# Altium PCB BMS_Slave V0.1.PcbDoc (part 1 of 2) (continued)
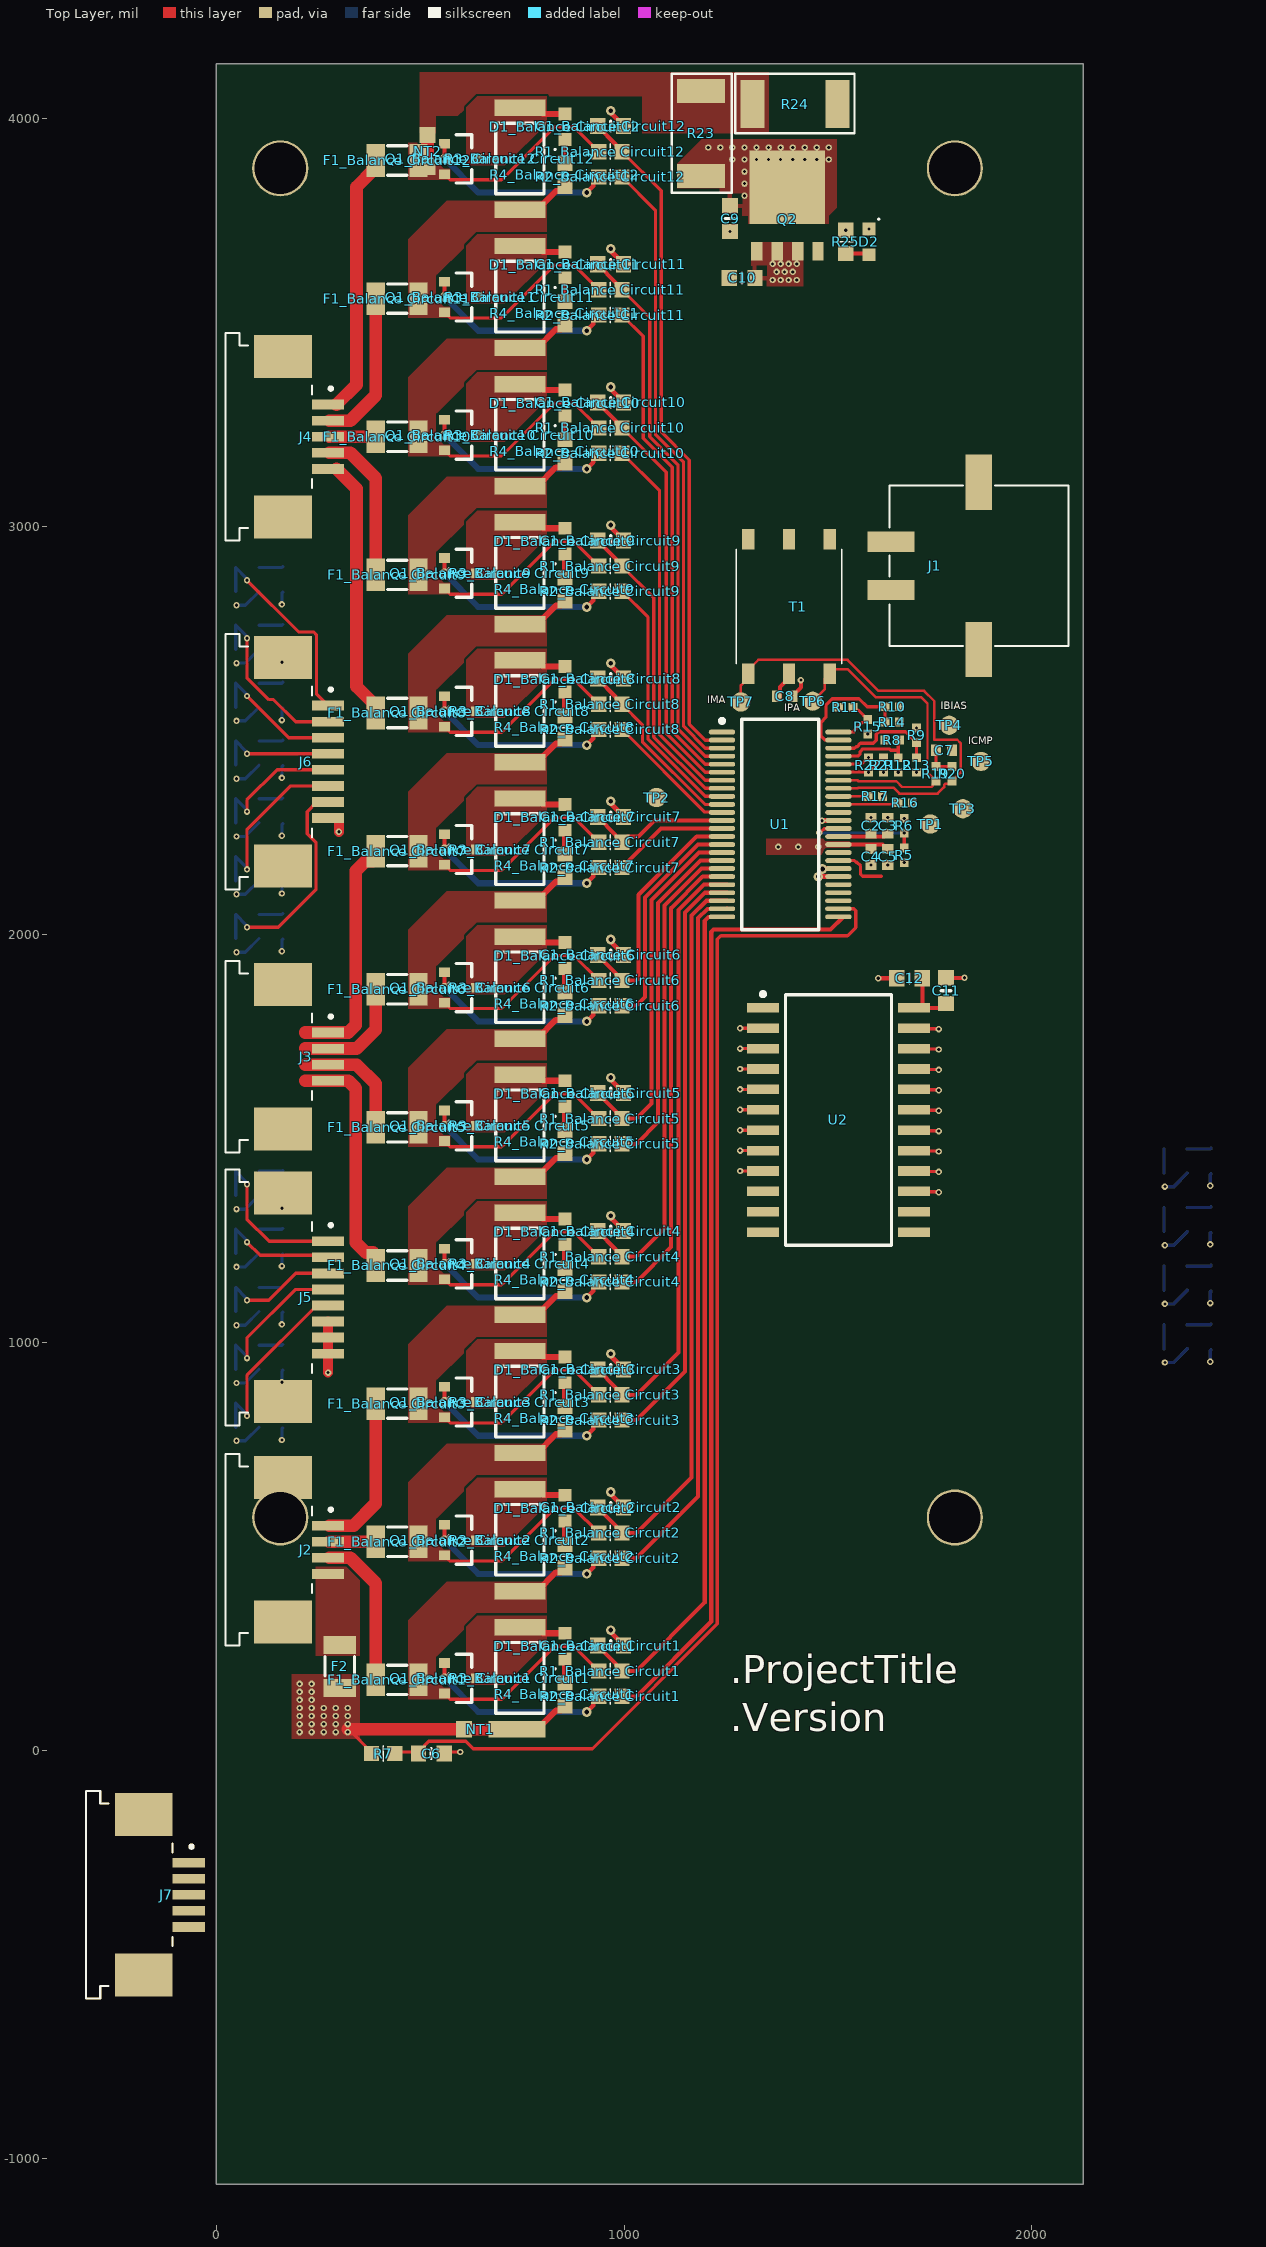
[diagram p0: Top Layer view]
## Design rules (kind name [scope] priority, off if disabled: settings) (continued)
RoomDefinition "Balance Circuit9" [InComponentClass('Balance Circuit9')] p23: confinementstyle=ConfineIn formatcopy=TRUE lockcomponents=FALSE outline 341.54,2716.14 1038.39,2716.14 1038.39,3054.72 341.54,3054.72
RoomDefinition "Balance Circuit10" [InComponentClass('Balance Circuit10')] p24: confinementstyle=ConfineIn formatcopy=TRUE lockcomponents=FALSE outline 341.54,3054.72 1038.39,3054.72 1038.39,3393.31 341.54,3393.31
RoomDefinition "Balance Circuit11" [InComponentClass('Balance Circuit11')] p25: confinementstyle=ConfineIn formatcopy=TRUE lockcomponents=FALSE outline 341.54,3393.31 1038.39,3393.31 1038.39,3731.89 341.54,3731.89
RoomDefinition "Balance Circuit3" [InComponentClass('Balance Circuit3')] p26: confinementstyle=ConfineIn formatcopy=TRUE lockcomponents=FALSE outline 341.54,684.65 1038.39,684.65 1038.39,1023.23 341.54,1023.23
RoomDefinition "Balance Circuit1" [InComponentClass('Balance Circuit1')] p27: confinementstyle=ConfineIn formatcopy=TRUE lockcomponents=FALSE outline 341.54,7.48 1038.39,7.48 1038.39,346.06 341.54,346.06
RoomDefinition "Balance Circuit2" [InComponentClass('Balance Circuit2')] p28: confinementstyle=ConfineIn formatcopy=TRUE lockcomponents=FALSE outline 341.54,346.06 1038.39,346.06 1038.39,684.65 341.54,684.65
RoutingVias [All] p1: holewidth=11.81 width=23.62 viastyle="Through Hole" minholewidth=7.87 minwidth=15.75 maxholewidth=15.75 maxwidth=27.56
ShortCircuit ShortCircuit_NT [HasFootprint('NetTie')] p1: allowed=TRUE
ShortCircuit [All] p2: allowed=FALSE
SilkToSilkClearance [All] p1: silktosilkclearance=0
SilkToSolderMaskClearance [IsPad] p1: minsilkscreentomaskgap=6 clearancetoexposedcopper=TRUE
SolderMaskExpansion SolderMaskExpansion_Via [isvia] p1: expansion=4 istentingtop=TRUE
SolderMaskExpansion [All] p2: expansion=2 istentingtop=FALSE
Width [All] p1: maxlimit=100 minlimit=6 preferedwidth=8
20 further rules are at their usual default settings.

## Classes and differential pairs
differential pair class isoSPI: isoSPI. PORTA
channel class "NTC Sense": "NTC Sense1" "NTC Sense2" "NTC Sense3" "NTC Sense4" "NTC Sense5" "NTC Sense6" "NTC Sense7" "NTC Sense8" "NTC Sense9" "NTC Sense10" "NTC Sense11" "NTC Sense12" "NTC Sense13" "NTC Sense14" "NTC Sense15" "NTC Sense16"
channel class Balance: "Balance Circuit1" "Balance Circuit2" "Balance Circuit3" "Balance Circuit4" "Balance Circuit5" "Balance Circuit6" "Balance Circuit7" "Balance Circuit8" "Balance Circuit9" "Balance Circuit10" "Balance Circuit11" "Balance Circuit12"
net class Vc[12..1]: Vc1 Vc2 Vc3 Vc4 Vc5 Vc6 Vc7 Vc8 Vc9 Vc10 Vc11 Vc12
net class T[12..1]: B2 B3 B4 B5 B6 B7 B8 B9 B10 B11 B12 T12
net class S[12..1]: S1 S2 S3 S4 S5 S6 S7 S8 S9 S10 S11 S12
net class Out[16..1]: Out1 Out2 Out3 Out4 Out5 Out6 Out7 Out8 Out9 Out10 Out11 Out12 Out13 Out14 Out15 Out16
net class NTC[16..1]: NTC1 NTC2 NTC3 NTC4 NTC5 NTC6 NTC7 NTC8 NTC9 NTC10 NTC11 NTC12 NTC13 NTC14 NTC15 NTC16
net class C[12..1]: C1 C2 C3 C4 C5 C6 C7 C8 C9 C10 C11 C12
net class BalanceNetClass: B1 B2 B3 B4 B5 B6 B7 B8 B9 B10 B11 B12 "NetD1_Balance Circuit1_2" "NetD1_Balance Circuit2_2" "NetD1_Balance Circuit3_2" "NetD1_Balance Circuit4_2" "NetD1_Balance Circuit5_2" "NetD1_Balance Circuit6_2" "NetD1_Balance Circuit7_2" "NetD1_Balance Circuit8_2" "NetD1_Balance Circuit9_2" "NetD1_Balance Circuit10_2" "NetD1_Balance Circuit11_2" "NetD1_Balance Circuit12_2" T12
net class B[12..1]: B1 B2 B3 B4 B5 B6 B7 B8 B9 B10 B11 B12
component class "U_Temperature Sensing": C11 C12 J5 J6 J7 U2
component class U_IsoSPI: C7 C8 J1 R19 R20 T1
component class "U_Cell Monitor": C2 C3 C4 C5 C6 C9 C10 D2 F2 J2 J3 J4 NT1 NT2 Q2 R5 R6 R7 R8 R9 R10 R11 R12 R13 R14 R15 R16 R17 R21 R22 R23 R24 R25 S1 TP1 TP2 TP3 TP4 TP5 TP6 TP7 U1
component class "NTC Sense16": "C13_NTC Sense16" "R26_NTC Sense16" "R27_NTC Sense16"
component class "NTC Sense15": "C13_NTC Sense15" "R26_NTC Sense15" "R27_NTC Sense15"
component class "NTC Sense14": "C13_NTC Sense14" "R26_NTC Sense14" "R27_NTC Sense14"
component class "NTC Sense13": "C13_NTC Sense13" "R26_NTC Sense13" "R27_NTC Sense13"
component class "NTC Sense12": "C13_NTC Sense12" "R26_NTC Sense12" "R27_NTC Sense12"
component class "NTC Sense11": "C13_NTC Sense11" "R26_NTC Sense11" "R27_NTC Sense11"
component class "NTC Sense10": "C13_NTC Sense10" "R26_NTC Sense10" "R27_NTC Sense10"
component class "NTC Sense9": "C13_NTC Sense9" "R26_NTC Sense9" "R27_NTC Sense9"
component class "NTC Sense8": "C13_NTC Sense8" "R26_NTC Sense8" "R27_NTC Sense8"
component class "NTC Sense7": "C13_NTC Sense7" "R26_NTC Sense7" "R27_NTC Sense7"
component class "NTC Sense6": "C13_NTC Sense6" "R26_NTC Sense6" "R27_NTC Sense6"
component class "NTC Sense5": "C13_NTC Sense5" "R26_NTC Sense5" "R27_NTC Sense5"
component class "NTC Sense4": "C13_NTC Sense4" "R26_NTC Sense4" "R27_NTC Sense4"
component class "NTC Sense3": "C13_NTC Sense3" "R26_NTC Sense3" "R27_NTC Sense3"
component class "NTC Sense2": "C13_NTC Sense2" "R26_NTC Sense2" "R27_NTC Sense2"
component class "NTC Sense1": "C13_NTC Sense1" "R26_NTC Sense1" "R27_NTC Sense1"
component class BMS_Slave: aaa
component class "Balance Circuit12": "C1_Balance Circuit12" "D1_Balance Circuit12" "F1_Balance Circuit12" "Q1_Balance Circuit12" "R1_Balance Circuit12" "R2_Balance Circuit12" "R3_Balance Circuit12" "R4_Balance Circuit12"
component class "Balance Circuit11": "C1_Balance Circuit11" "D1_Balance Circuit11" "F1_Balance Circuit11" "Q1_Balance Circuit11" "R1_Balance Circuit11" "R2_Balance Circuit11" "R3_Balance Circuit11" "R4_Balance Circuit11"
component class "Balance Circuit10": "C1_Balance Circuit10" "D1_Balance Circuit10" "F1_Balance Circuit10" "Q1_Balance Circuit10" "R1_Balance Circuit10" "R2_Balance Circuit10" "R3_Balance Circuit10" "R4_Balance Circuit10"
component class "Balance Circuit9": "C1_Balance Circuit9" "D1_Balance Circuit9" "F1_Balance Circuit9" "Q1_Balance Circuit9" "R1_Balance Circuit9" "R2_Balance Circuit9" "R3_Balance Circuit9" "R4_Balance Circuit9"
component class "Balance Circuit8": "C1_Balance Circuit8" "D1_Balance Circuit8" "F1_Balance Circuit8" "Q1_Balance Circuit8" "R1_Balance Circuit8" "R2_Balance Circuit8" "R3_Balance Circuit8" "R4_Balance Circuit8"
component class "Balance Circuit7": "C1_Balance Circuit7" "D1_Balance Circuit7" "F1_Balance Circuit7" "Q1_Balance Circuit7" "R1_Balance Circuit7" "R2_Balance Circuit7" "R3_Balance Circuit7" "R4_Balance Circuit7"
component class "Balance Circuit6": "C1_Balance Circuit6" "D1_Balance Circuit6" "F1_Balance Circuit6" "Q1_Balance Circuit6" "R1_Balance Circuit6" "R2_Balance Circuit6" "R3_Balance Circuit6" "R4_Balance Circuit6"
component class "Balance Circuit5": "C1_Balance Circuit5" "D1_Balance Circuit5" "F1_Balance Circuit5" "Q1_Balance Circuit5" "R1_Balance Circuit5" "R2_Balance Circuit5" "R3_Balance Circuit5" "R4_Balance Circuit5"
component class "Balance Circuit4": "C1_Balance Circuit4" "D1_Balance Circuit4" "F1_Balance Circuit4" "Q1_Balance Circuit4" "R1_Balance Circuit4" "R2_Balance Circuit4" "R3_Balance Circuit4" "R4_Balance Circuit4"
component class "Balance Circuit3": "C1_Balance Circuit3" "D1_Balance Circuit3" "F1_Balance Circuit3" "Q1_Balance Circuit3" "R1_Balance Circuit3" "R2_Balance Circuit3" "R3_Balance Circuit3" "R4_Balance Circuit3"
component class "Balance Circuit2": "C1_Balance Circuit2" "D1_Balance Circuit2" "F1_Balance Circuit2" "Q1_Balance Circuit2" "R1_Balance Circuit2" "R2_Balance Circuit2" "R3_Balance Circuit2" "R4_Balance Circuit2"
component class "Balance Circuit1": "C1_Balance Circuit1" "D1_Balance Circuit1" "F1_Balance Circuit1" "Q1_Balance Circuit1" "R1_Balance Circuit1" "R2_Balance Circuit1" "R3_Balance Circuit1" "R4_Balance Circuit1"
differential pair PORTA: +PORTA_P -PORTA_N
differential pair isoSPI.: +isoSPI._P -isoSPI._N

## Components (designator, comment, footprint, x,y, rotation, side; value= is the part's Value field where it differs from the comment)
aaa "Tractive voltage symbol" "Tractive voltage" 7541.34,3050.2 r0 top
"C1_Balance Circuit1" "C" C_0603 967.28,257.01 r180 top value=10nF (schematic designator C1)
"C1_Balance Circuit2" "C" C_0603 967.28,595.59 r180 top value=10nF (schematic designator C1)
"C1_Balance Circuit3" "C" C_0603 967.28,934.17 r180 top value=10nF (schematic designator C1)
"C1_Balance Circuit4" "C" C_0603 967.28,1272.76 r180 top value=10nF (schematic designator C1)
"C1_Balance Circuit5" "C" C_0603 967.28,1611.34 r180 top value=10nF (schematic designator C1)
"C1_Balance Circuit6" "C" C_0603 967.28,1949.92 r180 top value=10nF (schematic designator C1)
"C1_Balance Circuit7" "C" C_0603 967.28,2288.5 r180 top value=10nF (schematic designator C1)
"C1_Balance Circuit8" "C" C_0603 967.28,2627.09 r180 top value=10nF (schematic designator C1)
"C1_Balance Circuit9" "C" C_0603 967.28,2965.67 r180 top value=10nF (schematic designator C1)
"C1_Balance Circuit10" "C" C_0603 967.28,3304.25 r180 top value=10nF (schematic designator C1)
"C1_Balance Circuit11" "C" C_0603 967.28,3642.83 r180 top value=10nF (schematic designator C1)
"C1_Balance Circuit12" "C" C_0603 967.28,3981.42 r180 top value=10nF (schematic designator C1)
C2 "C" C-0402 1605.32,2266.73 r270 top value=1uF
C3 "C" C-0402 1646.65,2266.73 r270 top value=100nF
C4 "C" C-0402 1605.32,2189.96 r90 top value=100nF
C5 "C" C-0402 1646.65,2189.96 r90 top value=1uF
C6 "C" C_0603 527.56,-7.87 r180 top value=10nF
C7 "C" C-0402 1784.45,2451.77 r180 top value=10nF
C8 "C" C-0402 1393.7,2583.66 r180 top value=10nF
C9 "C" C_0603 1259.84,3754.92 r90 top value=100nF
C10 "C" C_0603 1289.37,3609.25 r0 top value=1uF
C11 "C" C_0603 1789.37,1862.2 r90 top value=100nF
C12 "C" C_0603 1699.8,1892.72 r0 top value=1uF
"C13_NTC Sense1" "C" C_0603 163.39,821.85 r90 bottom value=10nF (schematic designator C13)
"C13_NTC Sense2" "C" C_0603 163.39,963.58 r90 bottom value=10nF (schematic designator C13)
"C13_NTC Sense3" "C" C_0603 163.39,1105.32 r90 bottom value=10nF (schematic designator C13)
"C13_NTC Sense4" "C" C_0603 163.39,1248.03 r90 bottom value=10nF (schematic designator C13)
"C13_NTC Sense5" "C" C_0603 163.39,1389.76 r90 bottom value=10nF (schematic designator C13)
"C13_NTC Sense6" "C" C_0603 163.39,2019.69 r90 bottom value=10nF (schematic designator C13)
"C13_NTC Sense7" "C" C_0603 163.39,2161.42 r90 bottom value=10nF (schematic designator C13)
"C13_NTC Sense8" "C" C_0603 163.39,2303.15 r90 bottom value=10nF (schematic designator C13)
"C13_NTC Sense9" "C" C_0603 163.39,2444.88 r90 bottom value=10nF (schematic designator C13)
"C13_NTC Sense10" "C" C_0603 163.39,2586.62 r90 bottom value=10nF (schematic designator C13)
"C13_NTC Sense11" "C" C_0603 163.39,2728.35 r90 bottom value=10nF (schematic designator C13)
"C13_NTC Sense12" "C" C_0603 163.39,2870.08 r90 bottom value=10nF (schematic designator C13)
"C13_NTC Sense13" "C" C_0603 2438.98,1013.78 r90 bottom value=10nF (schematic designator C13)
"C13_NTC Sense14" "C" C_0603 2438.98,1157.48 r90 bottom value=10nF (schematic designator C13)
"C13_NTC Sense15" "C" C_0603 2438.98,1301.18 r90 bottom value=10nF (schematic designator C13)
"C13_NTC Sense16" "C" C_0603 2438.98,1444.88 r90 bottom value=10nF (schematic designator C13)
"D1_Balance Circuit1" "150060BS55040" "LED (0603)" 855.32,255.51 r90 top (schematic designator D1)
"D1_Balance Circuit2" "150060BS55040" "LED (0603)" 855.32,594.09 r90 top (schematic designator D1)
"D1_Balance Circuit3" "150060BS55040" "LED (0603)" 855.32,932.68 r90 top (schematic designator D1)
"D1_Balance Circuit4" "150060BS55040" "LED (0603)" 855.32,1271.26 r90 top (schematic designator D1)
"D1_Balance Circuit5" "150060BS55040" "LED (0603)" 855.32,1609.84 r90 top (schematic designator D1)
"D1_Balance Circuit6" "150060BS55040" "LED (0603)" 855.32,1948.43 r90 top (schematic designator D1)
"D1_Balance Circuit7" "150060BS55040" "LED (0603)" 855.32,2287.01 r90 top (schematic designator D1)
"D1_Balance Circuit8" "150060BS55040" "LED (0603)" 855.32,2625.59 r90 top (schematic designator D1)
"D1_Balance Circuit9" "150060BS55040" "LED (0603)" 855.32,2964.17 r90 top (schematic designator D1)
"D1_Balance Circuit10" "150060BS55040" "LED (0603)" 855.32,3302.76 r90 top (schematic designator D1)
"D1_Balance Circuit11" "150060BS55040" "LED (0603)" 855.32,3641.34 r90 top (schematic designator D1)
"D1_Balance Circuit12" "150060BS55040" "LED (0603)" 855.32,3979.92 r90 top (schematic designator D1)
D2 "150060SS55040" "LED (0603)" 1600.39,3697.83 r270 top
"F1_Balance Circuit1" "0466.500NR" 0466.500NR 443.9,172.83 r0 top (schematic designator F1)
"F1_Balance Circuit2" "0466.500NR" 0466.500NR 443.9,511.42 r0 top (schematic designator F1)
"F1_Balance Circuit3" "0466.500NR" 0466.500NR 443.9,850 r0 top (schematic designator F1)
"F1_Balance Circuit4" "0466.500NR" 0466.500NR 443.9,1188.58 r0 top (schematic designator F1)
"F1_Balance Circuit5" "0466.500NR" 0466.500NR 443.9,1527.17 r0 top (schematic designator F1)
"F1_Balance Circuit6" "0466.500NR" 0466.500NR 443.9,1865.75 r0 top (schematic designator F1)
"F1_Balance Circuit7" "0466.500NR" 0466.500NR 443.9,2204.33 r0 top (schematic designator F1)
"F1_Balance Circuit8" "0466.500NR" 0466.500NR 443.9,2542.91 r0 top (schematic designator F1)
"F1_Balance Circuit9" "0466.500NR" 0466.500NR 443.9,2881.5 r0 top (schematic designator F1)
"F1_Balance Circuit10" "0466.500NR" 0466.500NR 443.9,3220.08 r0 top (schematic designator F1)
"F1_Balance Circuit11" "0466.500NR" 0466.500NR 443.9,3558.66 r0 top (schematic designator F1)
"F1_Balance Circuit12" "0466.500NR" 0466.500NR 443.9,3897.24 r0 top (schematic designator F1)
F2 "0466.500NR" 0466.500NR 303.15,205.71 r270 top
J1 "2-1445057-2" TE_2-1445057-2 1870.08,2903.54 r90 top
J2 "84953-4" 84953-4 274.61,491.73 r270 top
J3 "84953-4" 84953-4 274.61,1700.39 r270 top
J4 "84953-5" 84953-5 274.61,3220.08 r270 top
J5 "84953-8" 84953-8 274.61,1110.24 r270 top
J6 "84953-8" 84953-8 274.61,2423.23 r270 top
J7 "84953-5" 84953-5 -66.93,-353.94 r270 top
NT1 "NetTie" NetTie 608.27,51.77 r0 top net-tie
NT2 "NetTie" NetTie 518.7,3880.91 r90 top net-tie
"Q1_Balance Circuit1" "NX2301P,215" FP-SOT23-MFG 599.41,176.77 r0 top (schematic designator Q1)
"Q1_Balance Circuit2" "NX2301P,215" FP-SOT23-MFG 599.41,515.35 r0 top (schematic designator Q1)
"Q1_Balance Circuit3" "NX2301P,215" FP-SOT23-MFG 599.41,853.94 r0 top (schematic designator Q1)
"Q1_Balance Circuit4" "NX2301P,215" FP-SOT23-MFG 599.41,1192.52 r0 top (schematic designator Q1)
"Q1_Balance Circuit5" "NX2301P,215" FP-SOT23-MFG 599.41,1531.1 r0 top (schematic designator Q1)
"Q1_Balance Circuit6" "NX2301P,215" FP-SOT23-MFG 599.41,1869.69 r0 top (schematic designator Q1)
"Q1_Balance Circuit7" "NX2301P,215" FP-SOT23-MFG 599.41,2208.27 r0 top (schematic designator Q1)
"Q1_Balance Circuit8" "NX2301P,215" FP-SOT23-MFG 599.41,2546.85 r0 top (schematic designator Q1)
"Q1_Balance Circuit9" "NX2301P,215" FP-SOT23-MFG 599.41,2885.43 r0 top (schematic designator Q1)
"Q1_Balance Circuit10" "NX2301P,215" FP-SOT23-MFG 599.41,3224.02 r0 top (schematic designator Q1)
"Q1_Balance Circuit11" "NX2301P,215" FP-SOT23-MFG 599.41,3562.6 r0 top (schematic designator Q1)
"Q1_Balance Circuit12" "NX2301P,215" FP-SOT23-MFG 599.41,3901.18 r0 top (schematic designator Q1)
Q2 "PHPT60603NYX" "LFPAK56 (SOT669)" 1400.59,3752.95 r0 top
"R1_Balance Circuit1" "Resistor" R-0603 966.54,194.49 r0 top value=100 (schematic designator R1)
"R1_Balance Circuit2" "Resistor" R-0603 966.54,533.07 r0 top value=100 (schematic designator R1)
"R1_Balance Circuit3" "Resistor" R-0603 966.54,871.65 r0 top value=100 (schematic designator R1)
"R1_Balance Circuit4" "Resistor" R-0603 966.54,1210.24 r0 top value=100 (schematic designator R1)
"R1_Balance Circuit5" "Resistor" R-0603 966.54,1548.82 r0 top value=100 (schematic designator R1)
"R1_Balance Circuit6" "Resistor" R-0603 966.54,1887.4 r0 top value=100 (schematic designator R1)
"R1_Balance Circuit7" "Resistor" R-0603 966.54,2225.98 r0 top value=100 (schematic designator R1)
"R1_Balance Circuit8" "Resistor" R-0603 966.54,2564.57 r0 top value=100 (schematic designator R1)
"R1_Balance Circuit9" "Resistor" R-0603 966.54,2903.15 r0 top value=100 (schematic designator R1)
"R1_Balance Circuit10" "Resistor" R-0603 966.54,3241.73 r0 top value=100 (schematic designator R1)
"R1_Balance Circuit11" "Resistor" R-0603 966.54,3580.32 r0 top value=100 (schematic designator R1)
"R1_Balance Circuit12" "Resistor" R-0603 966.54,3918.9 r0 top value=100 (schematic designator R1)
"R2_Balance Circuit1" "Resistor" R-0603 966.54,132.48 r0 top value=3.3k (schematic designator R2)
"R2_Balance Circuit2" "Resistor" R-0603 966.54,471.06 r0 top value=3.3k (schematic designator R2)
"R2_Balance Circuit3" "Resistor" R-0603 966.54,809.65 r0 top value=3.3k (schematic designator R2)
"R2_Balance Circuit4" "Resistor" R-0603 966.54,1148.23 r0 top value=3.3k (schematic designator R2)
"R2_Balance Circuit5" "Resistor" R-0603 966.54,1486.81 r0 top value=3.3k (schematic designator R2)
"R2_Balance Circuit6" "Resistor" R-0603 966.54,1825.39 r0 top value=3.3k (schematic designator R2)
"R2_Balance Circuit7" "Resistor" R-0603 966.54,2163.98 r0 top value=3.3k (schematic designator R2)
"R2_Balance Circuit8" "Resistor" R-0603 966.54,2502.56 r0 top value=3.3k (schematic designator R2)
"R2_Balance Circuit9" "Resistor" R-0603 966.54,2841.14 r0 top value=3.3k (schematic designator R2)
"R2_Balance Circuit10" "Resistor" R-0603 966.54,3179.72 r0 top value=3.3k (schematic designator R2)
"R2_Balance Circuit11" "Resistor" R-0603 966.54,3518.31 r0 top value=3.3k (schematic designator R2)
"R2_Balance Circuit12" "Resistor" R-0603 966.54,3856.89 r0 top value=3.3k (schematic designator R2)
"R3_Balance Circuit1" "Resistor" R_2512 744.84,176.77 r90 top value=R (schematic designator R3)
"R3_Balance Circuit2" "Resistor" R_2512 744.84,515.35 r90 top value=R (schematic designator R3)
"R3_Balance Circuit3" "Resistor" R_2512 744.84,853.94 r90 top value=R (schematic designator R3)
"R3_Balance Circuit4" "Resistor" R_2512 744.84,1192.52 r90 top value=R (schematic designator R3)
"R3_Balance Circuit5" "Resistor" R_2512 744.84,1531.1 r90 top value=R (schematic designator R3)
"R3_Balance Circuit6" "Resistor" R_2512 744.84,1869.69 r90 top value=R (schematic designator R3)
"R3_Balance Circuit7" "Resistor" R_2512 744.84,2208.27 r90 top value=R (schematic designator R3)
"R3_Balance Circuit8" "Resistor" R_2512 744.84,2546.85 r90 top value=R (schematic designator R3)
"R3_Balance Circuit9" "Resistor" R_2512 744.84,2885.43 r90 top value=R (schematic designator R3)
"R3_Balance Circuit10" "Resistor" R_2512 744.84,3224.02 r90 top value=R (schematic designator R3)
"R3_Balance Circuit11" "Resistor" R_2512 744.84,3562.6 r90 top value=R (schematic designator R3)
"R3_Balance Circuit12" "Resistor" R_2512 744.84,3901.18 r90 top value=R (schematic designator R3)
"R4_Balance Circuit1" "Resistor" R-0603 855.32,137.4 r90 top value=1k (schematic designator R4)
"R4_Balance Circuit2" "Resistor" R-0603 855.32,475.98 r90 top value=1k (schematic designator R4)
"R4_Balance Circuit3" "Resistor" R-0603 855.32,814.57 r90 top value=1k (schematic designator R4)
"R4_Balance Circuit4" "Resistor" R-0603 855.32,1153.15 r90 top value=1k (schematic designator R4)
"R4_Balance Circuit5" "Resistor" R-0603 855.32,1491.73 r90 top value=1k (schematic designator R4)
"R4_Balance Circuit6" "Resistor" R-0603 855.32,1830.32 r90 top value=1k (schematic designator R4)
"R4_Balance Circuit7" "Resistor" R-0603 855.32,2168.9 r90 top value=1k (schematic designator R4)
"R4_Balance Circuit8" "Resistor" R-0603 855.32,2507.48 r90 top value=1k (schematic designator R4)
"R4_Balance Circuit9" "Resistor" R-0603 855.32,2846.06 r90 top value=1k (schematic designator R4)
"R4_Balance Circuit10" "Resistor" R-0603 855.32,3184.65 r90 top value=1k (schematic designator R4)
"R4_Balance Circuit11" "Resistor" R-0603 855.32,3523.23 r90 top value=1k (schematic designator R4)
"R4_Balance Circuit12" "Resistor" R-0603 855.32,3861.81 r90 top value=1k (schematic designator R4)
R5 "Resistor" R_0402 1687.01,2193.9 r270 top value=0
R6 "Resistor" R_0402 1687.01,2266.73 r270 top value=0
R7 "Resistor" R-0603 409.45,-7.87 r0 top value=100
R8 "Resistor" R_0402 1657.48,2476.38 r180 top value=0
R9 "Resistor" R_0402 1717.19,2488.19 r90 top value=0
R10 "Resistor" R_0402 1657.48,2558.07 r0 top value=0
R11 "Resistor" R_0402 1543.31,2557.09 r180 top value=0
R12 "Resistor" R_0402 1672.24,2415.35 r90 top value=0
R13 "Resistor" R_0402 1717.19,2415.35 r90 top value=0
R14 "Resistor" R_0402 1657.48,2520.67 r180 top value=0
R15 "Resistor" R_0402 1597.44,2508.86 r90 top value=0
R16 "Resistor" R_0402 1688.98,2322.83 r0 top value=1M
R17 "Resistor" R_0402 1616.14,2338.58 r0 top value=0
R19 "Resistor" R_0402 1764.76,2393.7 r270 top value=51
R20 "Resistor" R_0402 1804.13,2393.7 r270 top value=51
R21 "Resistor" R_0402 1635.83,2415.35 r270 top value=1.21k
R22 "Resistor" R_0402 1599.41,2415.35 r270 top value=2.8k
R23 "Resistor" R_2010 1188.98,3963.58 r90 top value=100
R24 "Resistor" R_2010 1419.29,4035.43 r180 top value=100
R25 "Resistor" R-0603 1543.31,3697.83 r90 top value=1k
"R26_NTC Sense1" "Resistor" R-0603 76.77,792.32 r0 bottom value=10k (schematic designator R26)
"R26_NTC Sense2" "Resistor" R-0603 76.77,934.06 r0 bottom value=10k (schematic designator R26)
"R26_NTC Sense3" "Resistor" R-0603 76.77,1075.79 r0 bottom value=10k (schematic designator R26)
"R26_NTC Sense4" "Resistor" R-0603 76.77,1218.5 r0 bottom value=10k (schematic designator R26)
"R26_NTC Sense5" "Resistor" R-0603 76.77,1360.24 r0 bottom value=10k (schematic designator R26)
"R26_NTC Sense6" "Resistor" R-0603 76.77,1990.16 r0 bottom value=10k (schematic designator R26)
"R26_NTC Sense7" "Resistor" R-0603 76.77,2131.89 r0 bottom value=10k (schematic designator R26)
"R26_NTC Sense8" "Resistor" R-0603 76.77,2273.62 r0 bottom value=10k (schematic designator R26)
"R26_NTC Sense9" "Resistor" R-0603 76.77,2415.36 r0 bottom value=10k (schematic designator R26)
"R26_NTC Sense10" "Resistor" R-0603 76.77,2557.09 r0 bottom value=10k (schematic designator R26)
"R26_NTC Sense11" "Resistor" R-0603 76.77,2698.82 r0 bottom value=10k (schematic designator R26)
"R26_NTC Sense12" "Resistor" R-0603 76.77,2840.55 r0 bottom value=10k (schematic designator R26)
"R26_NTC Sense13" "Resistor" R-0603 2352.36,984.25 r0 bottom value=10k (schematic designator R26)
"R26_NTC Sense14" "Resistor" R-0603 2352.36,1127.95 r0 bottom value=10k (schematic designator R26)
"R26_NTC Sense15" "Resistor" R-0603 2352.36,1271.65 r0 bottom value=10k (schematic designator R26)
"R26_NTC Sense16" "Resistor" R-0603 2352.36,1415.35 r0 bottom value=10k (schematic designator R26)
"R27_NTC Sense1" "Resistor" R-0603 76.77,851.38 r180 bottom value=100 (schematic designator R27)
"R27_NTC Sense2" "Resistor" R-0603 76.77,993.11 r180 bottom value=100 (schematic designator R27)
"R27_NTC Sense3" "Resistor" R-0603 76.77,1134.84 r180 bottom value=100 (schematic designator R27)
"R27_NTC Sense4" "Resistor" R-0603 76.77,1277.56 r180 bottom value=100 (schematic designator R27)
"R27_NTC Sense5" "Resistor" R-0603 76.77,1419.29 r180 bottom value=100 (schematic designator R27)
"R27_NTC Sense6" "Resistor" R-0603 76.77,2049.21 r180 bottom value=100 (schematic designator R27)
"R27_NTC Sense7" "Resistor" R-0603 76.77,2190.95 r180 bottom value=100 (schematic designator R27)
"R27_NTC Sense8" "Resistor" R-0603 76.77,2332.68 r180 bottom value=100 (schematic designator R27)
"R27_NTC Sense9" "Resistor" R-0603 76.77,2474.41 r180 bottom value=100 (schematic designator R27)
"R27_NTC Sense10" "Resistor" R-0603 76.77,2616.14 r180 bottom value=100 (schematic designator R27)
"R27_NTC Sense11" "Resistor" R-0603 76.77,2757.88 r180 bottom value=100 (schematic designator R27)
"R27_NTC Sense12" "Resistor" R-0603 76.77,2899.61 r180 bottom value=100 (schematic designator R27)
"R27_NTC Sense13" "Resistor" R-0603 2352.36,1043.31 r180 bottom value=100 (schematic designator R27)
"R27_NTC Sense14" "Resistor" R-0603 2352.36,1187.01 r180 bottom value=100 (schematic designator R27)
"R27_NTC Sense15" "Resistor" R-0603 2352.36,1330.71 r180 bottom value=100 (schematic designator R27)
"R27_NTC Sense16" "Resistor" R-0603 2352.36,1474.41 r180 bottom value=100 (schematic designator R27)
S1 "2x7Segment" 2x7Segment 7665.67,4889.8 r90 top
T1 "SM91502ALE" SM91502ALE 1504.53,2968.7 r180 top
TP1 "VREF1" "Test Point" 1750.98,2270.67 r0 top
TP2 "VREF2" "Test Point" 1079.72,2335.63 r0 top
TP3 "5V0" "Test Point" 1830.71,2308.07 r0 top
TP4 "IBIAS" "Test Point" 1797.24,2512.8 r0 top
TP5 "ICMP" "Test Point" 1875,2424.21 r0 top
TP6 "IPA" "Test Point" 1462.6,2571.85 r0 top
TP7 "IMA" "Test Point" 1286.42,2569.88 r0 top
U1 "LTC6811-2" SSOP50P780X200-48N 1382.87,2269.69 r0 top
U2 "CD74HC4067M96" SOIC127P1030X265-24N 1525.59,1545.28 r0 top

## Footprints (in the part's own frame and the unit in brackets; to place one, negate y for a bottom-side part, rotate by r counter-clockwise, add the part's x,y. Pads: shape width x height; smd on the part's side, far side on the other; paste and mask are expansions set on the pad)
2x7Segment [mil] "2x7Segment"
  silkscreen extent 9,0 676,504
0466.500NR [mm] "500mA Fast Acting Fuse"
  rect 1.14x2.03 smd: 1(-1.335,0) 2(1.335,0)
  silkscreen extent -0.6,-0.92 0.6,0.91, body extent -1.59,-0.76 1.59,0.76, height 0.58
84953-4 [mm] "FPC Connectors, Flex-to-Board, 4 Position, Right Angle, Surface Mount"
  rect 0.61x2 smd: 1(-1.5,0) 2(-0.5,0) 3(0.5,0) 4(1.5,0)
  rect 2.68x3.6 smd: S1(-4.49,-2.8) S2(4.49,-2.8)
  silkscreen extent -5.96,-6.4 5.96,0.27, body extent -5.96,-6.44 5.96,0.11, height 2.59
84953-5 [mm] "FPC Connectors, Flex-to-Board, 5 Position, Right Angle, Surface Mount"
  rect 0.61x2 smd: 1(-2,0) 2(-1,0) 3(0,0) 4(1,0) 5(2,0)
  rect 2.68x3.6 smd: S1(-4.99,-2.8) S2(4.99,-2.8)
  silkscreen extent -6.46,-6.4 6.46,0.27, body extent -6.47,-6.44 6.47,0.11, height 2.59
84953-8 [mm] "FPC Connectors, 8POS"
  rect 0.61x2 smd: 1(-3.5,0) 2(-2.5,0) 3(-1.5,0) 4(-0.5,0) 5(0.5,0) 6(1.5,0) 7(2.5,0) 8(3.5,0)
  rect 2.68x3.6 smd: S1(-6.49,-2.8) S2(6.49,-2.8)
  silkscreen extent -7.96,-6.4 7.96,0.27, body extent -7.96,-6.44 7.97,0.11, height 2.59
C-0402 [mm] "0402 Capacitor"
  rect 0.6x0.7 smd: 1(-0.5,0) 2(0.5,0)
  body extent -0.55,-0.3 0.55,0.3, height 0.5
C_0603 [mm] "0603 Capacitor"
  rect 0.95x1 smd: 1(-0.8,0) 2(0.8,0)
  silkscreen extent 0,-0.3 0,0.3, body extent -0.87,-0.48 0.88,0.48, height 0.9
FP-SOT23-MFG [mm]
  rect 0.7x0.6 smd paste-1000 mask+0: 1(-1,0.95) 2(-1,-0.95) 3(1,0)
  silkscreen extent -0.7,-1.5 0.7,1.5, body extent -1.5,-1.65 1.5,1.65, height 0.25
"LED (0603)" [mm]
  rect 0.8x0.8 smd: 1(-0.8,0) 2(0.8,0)
  silkscreen extent -1.46,0.56 -1.36,0.66, body extent -0.8,-0.4 0.8,0.4, height 0.41
"LFPAK56 (SOT669)" [mm] "4 Lead SOT"
  rect 0.7x1.15 smd: 1(-1.905,-2) 2(-0.635,-2) 3(0.635,-2) 4(1.905,-2)
  rect 4.7x4.6 smd: 5(0,2)
  body extent -2.5,-2.47 2.5,4.3, height 1.21
NetTie [mm] "NetTie"
  rect 1x1 smd mask+0.051: 1(0,0) 2(2,0)
  Top Layer region: 0.4,-0.4 1.6,-0.4 1.6,0.4 0.4,0.4
R-0603 [mm] "0603 Chip Resistor"
  rect 0.95x0.95 smd: 1(-0.725,0) 2(0.725,0)
  silkscreen extent 0,-0.48 0,0.48, body extent -0.85,-0.48 0.85,0.48, height 0.55
R_0402 [mm] "Chip Resistor, 2-Leads, Body 1.00x0.50mm, IPC Medium Density"
  rect 0.55x0.55 smd: 1(-0.45,0) 2(0.45,0)
  body extent -0.52,-0.27 0.53,0.28, height 0.32
R_2010 [mm]
  rect 1.5x3 smd: 1(-2.65,0) 2(2.65,0)
  silkscreen extent -3.7,-1.9 3.72,1.83, body extent -2.5,-1.25 2.5,1.25, height 0.61
R_2512 [mm] "2512 Resistor"
  rect 1.02x3.18 smd: 1(-3.175,0) 2(3.175,0)
  silkscreen extent -2.17,-1.5 2.22,1.5, body extent -3.15,-1.63 3.2,1.63, height 0.62
SM91502ALE [mm]
  rect 0.76x1.27 smd: 1(0,0) 2(2.54,0) 3(5.08,0) 4(5.08,8.38) 5(2.54,8.38) 6(0,8.38)
  round 0.3 on Top Overlay: ""(-1.15,0.725)
  silkscreen extent -0.75,0.62 5.83,7.75, body extent -1.28,-0.22 6.34,8.67, height 5.73
SOIC127P1030X265-24N [mm] "SOIC, 24-Leads, Body 15.40x7.50mm, Pitch 1.27mm, IPC Medium Density"
  rect 2x0.6 smd: 1(-4.7,6.985) 2(-4.7,5.715) 3(-4.7,4.445) 4(-4.7,3.175) 5(-4.7,1.905) 6(-4.7,0.635) 7(-4.7,-0.635) 8(-4.7,-1.905) 9(-4.7,-3.175) 10(-4.7,-4.445) 11(-4.7,-5.715) 12(-4.7,-6.985) 13(4.7,-6.985) 14(4.7,-5.715) 15(4.7,-4.445) 16(4.7,-3.175) 17(4.7,-1.905) 18(4.7,-0.635) 19(4.7,0.635) 20(4.7,1.905) 21(4.7,3.175) 22(4.7,4.445) 23(4.7,5.715) 24(4.7,6.985)
  silkscreen extent -4.82,-7.8 3.3,7.96, body extent -5.15,-7.8 5.15,7.8, height 2.65
SSOP50P780X200-48N [mm] "SSOP, 48-Leads, Body 12.80x5.30mm, Pitch 0.50mm, IPC Medium Density"
  oval 1.65x0.3 smd: 1(-3.625,5.75) 2(-3.625,5.25) 3(-3.625,4.75) 4(-3.625,4.25) 5(-3.625,3.75) 6(-3.625,3.25) 7(-3.625,2.75) 8(-3.625,2.25) 9(-3.625,1.75) 10(-3.625,1.25) 11(-3.625,0.75) 12(-3.625,0.25) 13(-3.625,-0.25) 14(-3.625,-0.75) 15(-3.625,-1.25) 16(-3.625,-1.75) 17(-3.625,-2.25) 18(-3.625,-2.75) 19(-3.625,-3.25) 20(-3.625,-3.75) 21(-3.625,-4.25) 22(-3.625,-4.75) 23(-3.625,-5.25) 24(-3.625,-5.75) 25(3.625,-5.75) 26(3.625,-5.25) 27(3.625,-4.75) 28(3.625,-4.25) 29(3.625,-3.75) 30(3.625,-3.25) 31(3.625,-2.75) 32(3.625,-2.25) 33(3.625,-1.75) 34(3.625,-1.25) 35(3.625,-0.75) 36(3.625,-0.25) 37(3.625,0.25) 38(3.625,0.75) 39(3.625,1.25) 40(3.625,1.75) 41(3.625,2.25) 42(3.625,2.75) 43(3.625,3.25) 44(3.625,3.75) 45(3.625,4.25) 46(3.625,4.75) 47(3.625,5.25) 48(3.625,5.75)
  silkscreen extent -3.75,-6.55 2.4,6.57, body extent -3.9,-6.55 3.9,6.55, height 2
TE_2-1445057-2 [mm]
  rect 1.27x2.92 smd: 1(1.5,5.48) 2(-1.5,5.48)
  rect 3.43x1.65 smd: P1(5.205,0) P2(-5.205,0)
  silkscreen extent -5,-5.58 5,5.58, body extent -6.62,-4.57 6.62,6.59, height 5.68
"Test Point" [mm] "1.2mm Test point"
  round 1.2 smd: 1(0,0)
"Tractive voltage" [mil]
  silkscreen extent -424,-372 413,358

## Part data
"C1_Balance Circuit1" "C1_Balance Circuit2" "C1_Balance Circuit3" "C1_Balance Circuit4" "C1_Balance Circuit5" "C1_Balance Circuit6" "C1_Balance Circuit7" "C1_Balance Circuit8" "C1_Balance Circuit9" "C1_Balance Circuit10" "C1_Balance Circuit11" "C1_Balance Circuit12": library part Capacitor, "Capacitor", Voltage=>50.4V, ComponentLink1Description="New link"
C2 C3 C4 C5 C7 C8 C11 C12 "C13_NTC Sense1" "C13_NTC Sense2" "C13_NTC Sense3" "C13_NTC Sense4" "C13_NTC Sense5" "C13_NTC Sense6" "C13_NTC Sense7" "C13_NTC Sense8" "C13_NTC Sense9" "C13_NTC Sense10" "C13_NTC Sense11" "C13_NTC Sense12" "C13_NTC Sense13" "C13_NTC Sense14" "C13_NTC Sense15" "C13_NTC Sense16": library part Capacitor, "Capacitor", ComponentLink1Description="New link"
C6: library part Capacitor, "Capacitor", Voltage=<50.4V, ComponentLink1Description="New link"
C9 C10: library part Capacitor, "Capacitor", Voltage=>60V, ComponentLink1Description="New link"
"D1_Balance Circuit1" "D1_Balance Circuit2" "D1_Balance Circuit3" "D1_Balance Circuit4" "D1_Balance Circuit5" "D1_Balance Circuit6" "D1_Balance Circuit7" "D1_Balance Circuit8" "D1_Balance Circuit9" "D1_Balance Circuit10" "D1_Balance Circuit11" "D1_Balance Circuit12": "LED BLUE DIFFUSED 0603 SMD", Case/Package=0603, Color=Blue, Forward Voltage=3.2V, Manufacturer="Wurth Electronics", Supplier Part Number 1=710-150060BS55040, Test Current=20mA, ComponentLink1Description=http://www.farnell.com/datasheets/2621640.pdf?src-supplier=Farnell, ComponentLink1URL=http://www.farnell.com/datasheets/2621640.pdf?src-supplier=Farnell, ComponentLink2Description=https://www.we-online.de/web/en/index.php/download/media/07_electronic_components/download_center_1/application_notes_berichte/ano002_leds___the_future_of_horticultural_lighting/ANO002b_EN_LEDs_The_Future_of_Horticultural_Lighting.pdf?src-supplier=Digi-Key, ComponentLink2URL=https://www.we-online.de/web/en/index.php/download/media/07_electronic_components/download_center_1/application_notes_berichte/ano002_leds___the_future_of_horticultural_lighting/ANO002b_EN_LEDs_The_Future_of_Horticultural_Lighting.pdf?src-supplier=Digi-Key, ComponentLink3Description=https://katalog.we-online.de/pbs/datasheet/150060BS55040.pdf?src-supplier=Digi-Key, ComponentLink3URL=https://katalog.we-online.de/pbs/datasheet/150060BS55040.pdf?src-supplier=Digi-Key, ComponentLink4Description=http://www.farnell.com/datasheets/2621640.pdf?src-supplier=Newark, ComponentLink4URL=http://www.farnell.com/datasheets/2621640.pdf?src-supplier=Newark, Dominant Wavelength=470nm, Height=0.5mm, Length=1.6mm, Lens Size=0.8mm, Lens Style=Flat, Lens Transparency=Diffused, Luminous Intensity=80mcd, Manufacturer Part Number=150060BS55040, Mount="Surface Mount", Packaging="Tape and Reel", Pricing 1="1=0.18000, 10=0.16800, 50=0.16800, 100=0.15200, 1000=0.12100, 10000=0.10600 (USD)", RoHS=No, RoHS Compliant=No, Supplier 1=Mouser, Viewing Angle=140°, Width=0.8mm
D2: "LED RED DIFFUSED 0603 SMD", Case Code (Imperial)=0603, Case Code (Metric)=1608, Color=Red, Forward Voltage=2V, Manufacturer="Wurth Electronics", Supplier Part Number 1=710-150060SS55040, Test Current=20mA, Case/Package=0603, Category=LEDs, Dominant Wavelength=630nm, Height=0.5mm, Length=1.6mm, Lens Size=0.8mm, Lens Style=Flat, Lens Transparency=Diffused, Luminous Intensity=70mcd, Manufacturer Part Number=150060SS55040, Mount="Surface Mount", Packaging="Tape and Reel", Pricing 1="1=0.18000, 10=0.16800, 50=0.16800, 100=0.15200, 1000=0.12100, 10000=0.10600 (USD)", RoHS=No, RoHS Compliant=No, Stock 1=17006, Supplier 1=Mouser, Viewing Angle=140°, Width=0.8mm
"F1_Balance Circuit1" "F1_Balance Circuit2" "F1_Balance Circuit3" "F1_Balance Circuit4" "F1_Balance Circuit5" "F1_Balance Circuit6" "F1_Balance Circuit7" "F1_Balance Circuit8" "F1_Balance Circuit9" "F1_Balance Circuit10" "F1_Balance Circuit11" "F1_Balance Circuit12" F2: library part "Fuse 2", "LITTELFUSE - 0466.500NR - Fuse, Surface Mount, 500 mA, 466 Series, 63 VAC, 63 VDC, Very Fast Acting, 1206", Case Code (Imperial)=1206, Case Code (Metric)=3216, Current Rating=500mA, DC Cold Resistance=248mR, Manufacturer=Littelfuse, Max Operating Temperature=90°C, Min Operating Temperature=-55°C, Package Quantity=5000, Resistance=350mR, Supplier Part Number 1=576-0466.500NR, Voltage Rating=63V, Approvals=UL,CSA, Body Material=Thermoplastic, Case/Package=1206, Category=Fuses, ComponentLink1Description=https://datasheet.ciiva.com/17081/0466-500nr-17081083.pdf?src-supplier=Allied+Electronics, ComponentLink1URL=https://datasheet.ciiva.com/17081/0466-500nr-17081083.pdf?src-supplier=Allied+Electronics, ComponentLink2Description=https://datasheet.ciiva.com/16327/littelfuse-fuse-466-16327478.pdf?src-supplier=Future+Electronics, ComponentLink2URL=https://datasheet.ciiva.com/16327/littelfuse-fuse-466-16327478.pdf?src-supplier=Future+Electronics, ComponentLink3Description=https://datasheet.ciiva.com/299/466seriesdrawing-299207.pdf?src-supplier=Digi-Key, ComponentLink3URL=https://datasheet.ciiva.com/299/466seriesdrawing-299207.pdf?src-supplier=Digi-Key, ComponentLink4Description=https://datasheet.ciiva.com/299/466seriesdrawing-299208.pdf?src-supplier=Digi-Key, ComponentLink4URL=https://datasheet.ciiva.com/299/466seriesdrawing-299208.pdf?src-supplier=Digi-Key, ComponentLink5Description=https://datasheet.ciiva.com/299/466seriesdrawing-299209.pdf?src-supplier=Digi-Key, ComponentLink5URL=https://datasheet.ciiva.com/299/466seriesdrawing-299209.pdf?src-supplier=Digi-Key, ComponentLink6Description=https://datasheet.ciiva.com/14102/ei466-dat-e-14102891.pdf?src-supplier=Distrelec, ComponentLink6URL=https://datasheet.ciiva.com/14102/ei466-dat-e-14102891.pdf?src-supplier=Distrelec, ComponentLink7Description=https://datasheet.ciiva.com/15186/getdatasheetpartid-57351-15186924.pdf?src-supplier=Verical, ComponentLink7URL=https://datasheet.ciiva.com/15186/getdatasheetpartid-57351-15186924.pdf?src-supplier=Verical, Depth=1.52mm, Fuse Current=500mA, Fuse Type="Board Mount (Cartridge Style Excluded)", Height=0.023inch, Housing Material=Ceramic, LatestRevisionDate=17-Jul-2002, LatestRevisionNote="Re-released for DXP Platform.", Lead Free="Lead Free", Length=3.18mm, Manufacturer Part Number=0466.500NR, Mount="Surface Mount", Number of Pins=2, PackageDescription="Thru-Hole; 2 Leads", PackageReference=PIN-W2/E2.8, Packaging="Tape and Reel", Pricing 1="1=0.77000, 10=0.59200, 50=0.59200, 100=0.48900, 1000=0.41600, 10000=0.39000 (USD)", Published=8-Jun-2000, Publisher="Altium Limited", Radiation Hardening=No, REACH SVHC=Unknown, RoHS=Yes, RoHS Compliant=Yes, Series=466, Stock 1=36497, Supplier 1=Mouser, Terminal Material=Copper, Termination=SMD/SMT, Voltage Rating (AC)=63V, Voltage Rating (DC)=63V, Width=0.06inch, Working Voltage=63V
J1: "CONN HEADER 3MM 2POS R/A TIN SMD", Package=None, Availability=Unavailable, MF="{'manufacturer': u'TE Connectivity'}", MP=2-1445057-2, Price=None
J2 J3: "FPC Connectors, Flex-to-Board, 4 Position, .039 in [1 mm] Centerline, Zero Insertion Force (ZIF), Right Angle, Surface Mount", Package=None, Availability=Unavailable, MF="{'manufacturer': u'TE Connectivity'}", MP=84953-4, Price=None
J4 J7: "FPC Connectors, Flex-to-Board, 5 Position, .039 in [1 mm] Centerline, Zero Insertion Force (ZIF), Right Angle, Surface Mount."
J5 J6: "FPC Connectors, Flex-to-Board, 8 Position, .039 in [1 mm] Centerline, Zero Insertion Force (ZIF), Right Angle, Surface Mount", Color=Natural, Contact Current Rating=1A, Flammability Rating="UL94 V-0", Manufacturer="TE Connectivity", Max Operating Temperature=85°C, Min Operating Temperature=-40°C, Package Quantity=1500, Supplier Part Number 1=5351707P, Voltage Rating=200V, Body Plating=Tin, Category="FFC / FPC", ComponentLink1Description=https://datasheet.ciiva.com/11745/0900766b806b36e9-11745458.pdf?src-supplier=RSComponents, ComponentLink1URL=https://datasheet.ciiva.com/11745/0900766b806b36e9-11745458.pdf?src-supplier=RSComponents, ComponentLink2Description=https://datasheet.ciiva.com/669/eng-cd-84953-a3-669123.pdf?src-supplier=Digi-Key, ComponentLink2URL=https://datasheet.ciiva.com/669/eng-cd-84953-a3-669123.pdf?src-supplier=Digi-Key, ComponentLink3Description=https://datasheet.ciiva.com/669/eng-cd-84953-a3-669124.pdf?src-supplier=Digi-Key, ComponentLink3URL=https://datasheet.ciiva.com/669/eng-cd-84953-a3-669124.pdf?src-supplier=Digi-Key, ComponentLink4Description=https://datasheet.ciiva.com/14483/eng-ds-1-1773440-6-0506-14483319.pdf?src-supplier=Farnell, ComponentLink4URL=https://datasheet.ciiva.com/14483/eng-ds-1-1773440-6-0506-14483319.pdf?src-supplier=Farnell, ComponentLink5Description=https://datasheet.ciiva.com/26825/getdatasheetpartid-473787-26825575.pdf?src-supplier=Verical, ComponentLink5URL=https://datasheet.ciiva.com/26825/getdatasheetpartid-473787-26825575.pdf?src-supplier=Verical, ComponentLink6Description=https://datasheet.ciiva.com/8066/586796-8066664.pdf?src-supplier=Element14, ComponentLink6URL=https://datasheet.ciiva.com/8066/586796-8066664.pdf?src-supplier=Element14, ComponentLink7Description=https://datasheet.ciiva.com/669/eng-cd-84953-a3-669122.pdf?src-supplier=Digi-Key, ComponentLink7URL=https://datasheet.ciiva.com/669/eng-cd-84953-a3-669122.pdf?src-supplier=Digi-Key, ComponentLink8Description=https://datasheet.ciiva.com/16658/eng-ds-1-1773440-6-0506-16658613.pdf?src-supplier=Avnet+Europe, ComponentLink8URL=https://datasheet.ciiva.com/16658/eng-ds-1-1773440-6-0506-16658613.pdf?src-supplier=Avnet+Europe, ComponentLink9Description=https://datasheet.ciiva.com/8066/586796-8066666.pdf?src-supplier=Element14, ComponentLink9URL=https://datasheet.ciiva.com/8066/586796-8066666.pdf?src-supplier=Element14, ComponentLink10Description=https://datasheet.ciiva.com/30100/eng-ds-1-1773440-6-0506-30100492.pdf?src-supplier=Onlinecomponents.com, ComponentLink10URL=https://datasheet.ciiva.com/30100/eng-ds-1-1773440-6-0506-30100492.pdf?src-supplier=Onlinecomponents.com, ComponentLink11Description=https://datasheet.ciiva.com/10034/eng-ds-1-1773440-6-0506-10034351.pdf?src-supplier=Avnet, ComponentLink11URL=https://datasheet.ciiva.com/10034/eng-ds-1-1773440-6-0506-10034351.pdf?src-supplier=Avnet, Connector System=Flex-to-Board, Connector Type=Receptacle,Connector,Socket, Contact Location=Top, Contact Material=Bronze, Contact Plating=Tin,Bright, Current Rating=1A, Depth=2.56mm, Gender=Female, Height=2.56mm, Housing Color=Natural, Housing Material=Polymer, Lead Pitch=1mm, Length=0.6268inch, Manufacturer Part Number=84953-8, Material=Thermoplastic, Mating Alignment="Yes (With)", Mount="Surface Mount", Number of Contacts=8, Number of Positions=8, Number of Rows=1, Orientation="Right Angle", Packaging="Tape and Reel", PCB Mount Alignment="No (Without)", PCB Mount Retention=With, PCB Mounting Orientation="Right Angle", Pitch=0.039inch, Plating Thickness=2um, Pricing 1="10=0.83500, 200=0.65000, 750=0.58600, 3000=0.55400, 6000=0.54000 (USD)", Radiation Hardening=No, REACH SVHC="No SVHC", RoHS=Yes, Sealable="No (Without)", Shielding=Unshielded, Shrouded="Yes (With)", Stock 1=1, Supplier 1=RSComponents, Termination=SMD/SMT, Width=0.2575inch, Wire/Cable Type="Flat Flex"
"Q1_Balance Circuit1" "Q1_Balance Circuit2" "Q1_Balance Circuit3" "Q1_Balance Circuit4" "Q1_Balance Circuit5" "Q1_Balance Circuit6" "Q1_Balance Circuit7" "Q1_Balance Circuit8" "Q1_Balance Circuit9" "Q1_Balance Circuit10" "Q1_Balance Circuit11" "Q1_Balance Circuit12": library part CMP-14409-000018-1, "MOSFET P-CH 20V 2A TO-236AB"
Q2: "60V, 3 A NPN high power bipolar transistor"
T1: "BMS XFORMER 1-CH 1000V AECQ +125", Inductance=150uH, Manufacturer=Bourns, Max Operating Temperature=125°C, Min Operating Temperature=-40°C, Supplier Part Number 1=1802382, Category=Transformers, ComponentLink1Description=https://www.bourns.com/docs/Product-Datasheets/SM91502AL.pdf?src-supplier=Digi-Key, ComponentLink1URL=https://www.bourns.com/docs/Product-Datasheets/SM91502AL.pdf?src-supplier=Digi-Key, Manufacturer Part Number=SM91502ALE, Mount="Surface Mount", Packaging="Cut Tape", Pricing 1="800=2.35100 (USD)", RoHS=Yes, Stock 1=1, Supplier 1=RSComponents, Turns Ratio=1:1
TP1 TP2 TP3 TP4 TP5 TP6 TP7: library part "Test Point", "1.2mm Test point"
U1: "12 Channel Multicell Battery Monitor with Addressable Interface"
U2: "High-Speed CMOS Logic / 16-Channel Analog Multiplexer/Demultiplexer"

## Free pads (board coordinates)
  round 137.8 hole 125.98 unplated: MH1(157.48,3877.95) MH1(1811.02,3877.95) MH2(157.48,570.87) MH2(1811.02,570.87)

## Via types
v1: diameter 15.75, hole 7.87, Top Layer to Bottom Layer, tented both sides, 155 vias
v2: diameter 23.62, hole 11.81, Top Layer to Bottom Layer, tented both sides, 38 vias

## Nets (pads, with @x,y where several pads share a name; then routed paths per layer and width w, separated by ;. In a path a pad name is that pad's centre, name@x,y a point inside that pad or via, vN(x,y) a via of type N, cw(c..) or ccw(c..) an arc to the next point about the centre after c; other vN are vias at no path point)
5V0: C10.2 C11.1 C12.2 Q2.1 Q2.2 Q2.3 R5.2 R8.2 R9.2 R10.2 R11.2 R16.2 R17.2 R25.2 TP3.1 U1.37 U2.24 | length 210.9
  Top Layer w10: U2.24@1710.63,1820.28 U2.24@1724.49,1820.28 ; C12.2@1731.3,1892.72 1731.3,1827.09 U2.24@1724.49,1820.28 ; C11.1@1789.37,1830.71 1778.94,1820.28 U2.24@1724.49,1820.28
  Top Layer w12: v1(1485.24,2278.54) 1486.13,2279.43 1537.31,2279.43 U1.37@1537.4,2279.53
  other v1: 1687.01,2176.18 1706.69,2322.83 1633.86,2338.58 1639.76,2476.38 1717.19,2505.91 1525.59,2557.09 1364.17,3604.33 1383.86,3604.33 1403.54,3604.33 1423.23,3604.33 1374.02,3624.02 1393.7,3624.02 1413.39,3624.02 1364.17,3643.7 1383.86,3643.7 1403.54,3643.7 1423.23,3643.7 1543.31,3726.38
A0: R8.1 R12.2 U1.45 | length 184.2
  Top Layer w8: U1.45@1537.4,2437.01 1538.13,2437.74 1573.9,2437.74 1578.58,2442.42 1578.58,2448.04 1585.42,2454.88 1650.8,2454.88 1653.91,2451.77 1672.24,2451.77 ; R12.2@1672.24,2433.07 1672.24,2451.77 ; R8.1@1672.24,2470.47 1672.24,2451.77
A1: R9.1 R13.2 U1.46 | length 253.8
  Top Layer w8: U1.46@1537.4,2456.69 1565.01,2456.69 1568.79,2460.47 1571.22,2460.47 1579.63,2468.88 1611.31,2468.88 1618.6,2476.17 1618.6,2491.01 1624.79,2497.21 1690.17,2497.21 1696.19,2491.18 1696.19,2491.11 1702.22,2485.08 1702.59,2485.08 R9.1@1717.19,2470.47 R13.2@1717.19,2433.07
A2: R10.1 R14.2 U1.47 | length 336.4
  Top Layer w8: U1.47@1537.4,2476.38 1536.67,2477.11 1491.98,2477.11 1483.11,2485.98 1483.11,2520.51 1494.92,2532.32 1494.92,2562.21 1510.62,2577.91 1575.99,2577.91 1595.84,2558.07 R10.1@1639.76,2558.07 R14.2@1639.76,2520.67
A3: R11.1 R15.2 U1.48 | length 123.3
  Top Layer w8: U1.48@1537.4,2496.06 1562.95,2496.06 1564.71,2497.82 1564.71,2500.52 1583.93,2519.75 1590.61,2519.75 R15.2@1597.44,2526.58 1573.76,2550.26 1567.85,2550.26 R11.1@1561.02,2557.09
B1: "R3_Balance Circuit1.1" "R4_Balance Circuit1.1" NT1.2 | length 134.1
  Top Layer w15: 744.84,51.77 787.36,51.77 833.25,97.66 844.11,97.66 855.32,108.86
B2: "F1_Balance Circuit1.2" "Q1_Balance Circuit1.2" "R1_Balance Circuit1.1" "R3_Balance Circuit2.1" "R4_Balance Circuit2.1" | length 596.9
  Top Layer w8: 560.04,139.37 573.82,125.59 699.8,125.59 829.72,255.51 876.97,255.51 937.99,194.49
  Top Layer w15: 744.84,390.35 787.36,390.35 833.25,436.24 844.11,436.24 855.32,447.44
B3: "F1_Balance Circuit2.2" "Q1_Balance Circuit2.2" "R1_Balance Circuit2.1" "R3_Balance Circuit3.1" "R4_Balance Circuit3.1" | length 596.9
  Top Layer w8: 560.04,477.95 573.82,464.17 699.8,464.17 829.72,594.09 876.97,594.09 937.99,533.07
  Top Layer w15: 744.84,728.94 787.36,728.94 833.25,774.82 844.11,774.82 855.32,786.02
B4: "F1_Balance Circuit3.2" "Q1_Balance Circuit3.2" "R1_Balance Circuit3.1" "R3_Balance Circuit4.1" "R4_Balance Circuit4.1" | length 596.9
  Top Layer w8: 560.04,816.54 573.82,802.76 699.8,802.76 829.72,932.68 876.97,932.68 937.99,871.65
  Top Layer w15: 744.84,1067.52 787.36,1067.52 833.25,1113.41 844.11,1113.41 855.32,1124.61
B5: "F1_Balance Circuit4.2" "Q1_Balance Circuit4.2" "R1_Balance Circuit4.1" "R3_Balance Circuit5.1" "R4_Balance Circuit5.1" | length 596.9
  Top Layer w8: 560.04,1155.12 573.82,1141.34 699.8,1141.34 829.72,1271.26 876.97,1271.26 937.99,1210.24
  Top Layer w15: 744.84,1406.1 787.36,1406.1 833.25,1451.99 844.11,1451.99 855.32,1463.19
B6: "F1_Balance Circuit5.2" "Q1_Balance Circuit5.2" "R1_Balance Circuit5.1" "R3_Balance Circuit6.1" "R4_Balance Circuit6.1" | length 596.9
  Top Layer w8: 560.04,1493.7 573.82,1479.92 699.8,1479.92 829.72,1609.84 876.97,1609.84 937.99,1548.82
  Top Layer w15: 744.84,1744.69 787.36,1744.69 833.25,1790.57 844.11,1790.57 855.32,1801.77
B7: "F1_Balance Circuit6.2" "Q1_Balance Circuit6.2" "R1_Balance Circuit6.1" "R3_Balance Circuit7.1" "R4_Balance Circuit7.1" | length 596.9
  Top Layer w8: 560.04,1832.28 573.82,1818.5 699.8,1818.5 829.72,1948.43 876.97,1948.43 937.99,1887.4
  Top Layer w15: 744.84,2083.27 787.36,2083.27 833.25,2129.15 844.11,2129.15 855.32,2140.35